# Allegro board 038RT-9068CJK8E-A100_0921_1.brd (continued)
## Routing (per net, layer and track width the routed paths; a pad name or vN(x,y) marks a point on that pad's centre or on a via; arc(x,y) is an arc through that point) (continued)
  BOTTOM w0.305: v1(554.21,204.77) 554.33,204.65 UNK1K217.39 ; UNK1U18.41 668.03,99.51 v2(668.03,99.51) ; UNK3U6.1 660.03,175.9 v2(660.46,176.33) ; UNK3U18.14 663.28,329.84 v2(663.28,329.84) ; v2(660.32,110.56) 660.82,111.06 UNK1U17.9 ; v1(552.63,198.41) 552.63,198.1 553.33,197.4 UNK1K184.19 ; v1(29.7,283.72) 29.82,283.83 UNK2K145.21 ; v2(33.04,37.66) 32.54,38.16 U6.9 ; U18.34 19.61,107.05 v2(19.61,107.05) ; K217.41 137.27,208.06 v1(137.65,207.67) 137.65,207.43 137.96,207.12 K217.4 ; UNK1U17.14 663.28,113.56 v2(663.28,113.56) ; v2(30.14,162.63) 30.24,162.52 UNK2U6.5 ; UNK3U6.34 649.92,160.9 v2(649.92,160.9) ; UNK1U6.23 657.56,38.53 v2(657.55,38.54) ; UNK2U18.57 22.56,353.88 v2(22.56,353.88) ; v1(646.29,217.93) 646.67,217.55 UNK1K144.41 ; UNK1U17.17 660.32,115.06 v2(660.32,115.06) ; v1(646.29,268.73) 646.67,268.35 UNK3K144.41 ; U17.14 27.32,96.5 v2(27.32,96.5) ; v2(30.14,161.36) 30.3,161.52 UNK2U6.3 ; v2(37.79,36.16) 37.79,35.46 38.1,35.16 U6.62 ; UNK1U18.62 670.99,89.01 v2(670.99,89.01) ; v2(33.04,176.02) 33.04,176.02 UNK2U6.32 ; UNK3K217.39 554.33,264.65 v1(554.21,264.77) ; v2(660.32,103.51) UNK1U18.32 ; v2(30.27,357.76) 29.9,357.38 UNK2U18.1 ; U6.30 32.54,48.66 v2(33.04,48.16) ; v1(252.22,242.08) 252.22,242.39 251.52,243.09 UNK2K213.19 ; UNK1K213.14 444.52,195.62 444.83,195.92 v1(444.83,196.17) ; UNK3U18.3 660.56,324.34 v2(660.32,324.1) ; U6.17 33.04,42.16 v2(33.04,42.16) ; UNK1K184.14 552.64,194.16 552.94,194.47 v1(552.94,194.71) ; UNK2K184.39 136.27,283.94 v1(136.38,283.83) ; UNK3K213.19 445.21,258.85 444.51,259.55 v1(444.51,259.86) ; v2(22.56,350.88) 22.56,350.88 UNK2U18.51 ; UNK2K184.19 137.27,275.04 137.97,274.34 v1(137.97,274.03) ; v1(649.28,215.27) 647.92,215.27 647.67,215.51 UNK1K144.39 ; v2(649.84,169.4) 649.85,169.4 UNK3U6.51 ; UNK2U18.35 22.56,342.88 v2(22.56,342.88) ; v2(22.56,88.5) 22.56,88.5 U17.35 ; U17.57 22.56,99.5 v2(22.56,99.5) ; v2(670.99,349.39) 669.51,349.39 UNK3U17.50 ; v2(668.03,326.84) 668.03,326.84 UNK3U18.57 ; v2(22.56,334.83) 22.56,334.83 UNK2U17.57 ; v2(33.04,171.52) 33.04,171.52 UNK2U6.23 ; v2(660.32,331.34) 660.32,331.34 UNK3U18.17 ; U6.29 30.34,48.16 v2(30.14,47.95) ; v1(250.63,185.77) 250.52,185.66 K213.21 ; v2(40.68,49.16) 40.67,49.16 U6.34 ; UNK2K145.41 28.82,277.24 v1(28.43,277.62) ; UNK3K184.14 552.64,254.16 552.94,254.47 v1(552.94,254.71) ; v1(136.38,261.58) 136.27,261.46 UNK2K217.21 ; v2(33.04,167.02) 33.04,167.02 UNK2U6.14 ; UNK2U17.62 19.61,337.33 v2(19.61,337.33) ; v2(660.46,35.74) 660.25,35.53 UNK1U6.29 ; U6.41 37.8,45.66 v2(37.79,45.66) ; K145.14 28.13,232.37 28.43,232.68 v1(28.43,232.92) 28.82,233.3 K145.19 ; UNK2U6.34 40.67,175.52 v2(40.68,175.52) ; UNK3U18.1 660.7,323.34 v2(660.32,322.96) ; UNK1K145.14 662.47,224.83 662.16,224.52 v1(662.16,224.28) 661.78,223.9 UNK1K145.19 ; U6.50 37.8,41.16 v2(37.79,41.16) ; UNK3U18.63 668.03,323.84 v2(668.03,323.84) ; UNK2U18.29 29.97,343.38 30.27,343.08 v2(30.27,342.88) 30.27,342.88 UNK2U18.30 ; U18.23 27.32,111.05 v2(27.32,111.05) ; v2(657.55,43.04) 657.55,43.03 UNK1U6.14 ; v1(554.21,194.71) 554.33,194.83 UNK1K184.21 ; v1(43.04,283.97) 42.92,283.86 UNK2K144.21 ; v1(444.51,199.86) 444.51,199.55 445.21,198.85 UNK1K213.19 ; UNK1U17.29 v2(660.32,121.06) 660.32,121.25 660.63,121.56 UNK1U17.30 ; UNK2K144.19 43.92,283.59 v1(44.31,283.97) 44.31,284.21 44.61,284.52 UNK2K144.14 ; v2(30.27,101) 30.27,101 U17.5 ; UNK1K144.21 647.67,224.14 v1(647.56,224.03) ; UNK3U18.23 663.28,334.34 v2(663.28,334.34) ; v2(663.28,118.06) 663.28,118.06 UNK1U17.23 ; UNK1U6.35 652.8,35.03 v2(652.8,35.04) ; UNK3K217.21 554.33,270.98 v1(554.21,270.86) ; UNK2U18.3 30.04,356.38 v2(30.27,356.62) ; UNK3U6.35 652.8,161.4 v2(652.8,161.4) ; v1(647.56,274.83) 647.67,274.94 UNK3K144.21 ; U6.3 30.3,35.16 v2(30.14,35) ; UNK2U6.57 37.8,164.03 v2(37.79,164.02) ; UNK3K184.21 554.33,254.83 v1(554.21,254.71) ; v2(30.27,121.28) 30.04,121.05 U18.3 ; UNK2K217.14 137.96,262.12 137.65,261.82 v1(137.65,261.58) 137.27,261.19 UNK2K217.19 137.27,258.89 137.97,258.19 v1(137.97,257.88) ; UNK2U18.23 27.32,346.38 v2(27.32,346.38) ; v2(660.32,357.89) UNK3U17.32 ; UNK3U6.14 657.55,169.4 v2(657.55,169.4) ; v2(27.32,92) 27.32,92 U17.23 ; v2(660.46,173.79) 660.35,173.9 UNK3U6.5 ; U18.1 29.9,122.05 v2(30.27,122.43) ; v2(27.32,350.88) 27.32,350.88 UNK2U18.14 ; v2(649.84,43.04) 649.85,43.03 UNK1U6.51 ; UNK2U6.1 30.57,160.52 v2(30.14,160.09) ; v1(228.42,191.87) 228.3,191.99 K214.39 ; v2(27.32,120.55) 27.32,120.55 U18.4 ; v2(660.32,326.84) 660.82,327.34 UNK3U18.9 ; UNK3K144.19 646.67,275.13 646.37,274.83 v1(646.29,274.83) ; v2(37.79,37.66) 37.8,37.66 U6.57 ; U18.17 30.27,114.05 v2(30.27,114.05) ; v2(30.27,330.33) 30.27,330.33 UNK2U17.17 ; v2(27.32,115.55) 27.32,115.55 U18.14 ; UNK2K214.14 229.99,246.32 229.69,246.02 v1(229.69,245.77) ; v2(657.55,46.04) 658.06,45.53 UNK1U6.9 ; UNK2U17.9 29.77,334.33 v2(30.27,334.83) ; UNK3K213.4 444.52,250.62 444.83,250.31 v1(444.83,250.07) 445.21,249.68 UNK3K213.41 ; v1(250.63,245.77) 250.52,245.66 UNK2K213.21 ; v1(554.21,248.61) 554.33,248.5 UNK3K184.39 ; v1(25,278.01) 25.16,278.17 UNK2K145.4 ; UNK2U6.50 37.8,167.52 v2(37.79,167.52) ; v2(33.04,45.16) 33.04,45.16 U6.23 ; UNK3U17.41 668.03,353.89 v2(668.03,353.89) ; UNK3K145.39 660.78,281.29 v1(660.89,281.18) ; v1(136.38,201.58) 136.27,201.46 K217.21 ; v2(30.27,95) 30.27,95 U17.17 ; v2(668.03,329.84) 668.03,329.84 UNK3U18.51 ; UNK1K184.39 554.33,188.5 v1(554.21,188.61) ; UNK3K145.19 661.78,274.7 v1(662.16,275.08) 662.16,275.32 662.47,275.63 UNK3K145.14 ; K214.41 229.3,192.26 v1(229.69,191.87) 229.69,191.63 229.99,191.32 K214.4 ; UNK2U6.62 38.1,161.52 37.79,161.83 v2(37.79,162.53) ; UNK1U17.4 663.28,108.56 v2(663.28,108.56) ; UNK3U6.41 652.8,164.4 v2(652.8,164.4) ; UNK1U6.62 652.5,48.53 652.8,48.23 v2(652.8,47.53) ; UNK3U17.3 660.56,343.39 v2(660.32,343.15) ; v1(468.31,196.17) 468.43,196.28 UNK1K214.21 ; v2(22.56,326.83) 22.56,326.83 UNK2U17.41 ; UNK3U17.35 668.03,356.89 v2(668.03,356.89) ; v2(33.04,49.66) 33.04,49.66 U6.32 ; K144.39 42.92,241.69 42.68,241.93 v1(41.31,241.93) ; UNK2U18.9 29.77,353.38 v2(30.27,353.88) ; U18.57 22.56,118.55 v2(22.56,118.55) ; UNK3U18.30 660.32,337.84 v2(660.32,337.84) 660.32,337.64 660.63,337.34 UNK3U18.29 ; U6.51 40.75,40.66 v2(40.75,40.66) ; v2(660.46,162.11) 660.25,161.9 UNK3U6.29 ; UNK3U6.3 660.3,174.9 v2(660.46,175.06) ; v2(663.28,353.39) 663.28,353.39 UNK3U17.23 ; UNK2K217.39 136.27,267.79 v1(136.38,267.67) ; U18.50 19.61,115.05 v2(19.61,115.05) ; K184.14 137.96,218.28 137.65,217.97 v1(137.65,217.73) ; v2(657.55,173.9) 658.06,174.4 UNK3U6.4 ; v1(446.1,250.07) 446.21,249.95 UNK3K213.39 ; v2(660.32,88.77) 660.56,89.01 UNK1U18.3 ; v2(649.92,49.03) UNK1U6.63 ; v1(660.89,230.38) 660.78,230.49 UNK1K145.39 ; U17.3 30.04,102 v2(30.27,102.23) ; UNK1U17.34 670.99,122.06 v2(670.99,122.06) ; v2(657.55,172.4) 658.06,171.9 UNK3U6.9 ; v2(33.04,36.16) 32.54,35.66 U6.4 ; v1(468.31,190.07) 468.43,189.95 UNK1K214.39 ; v2(27.32,336.83) 27.32,336.83 UNK2U17.4 ; K144.21 42.92,233.06 v1(43.04,233.17) ; UNK1U18.57 668.03,91.51 v2(668.03,91.51) ; UNK3K214.14 466.74,255.62 467.04,255.92 v1(467.04,256.17) ; K145.41 28.82,226.44 v1(28.43,226.82) ; U18.9 29.77,118.05 v2(30.27,118.55) ; UNK1K144.19 646.67,224.41 v1(646.29,224.03) 646.29,223.79 645.98,223.48 UNK1K144.14 ; UNK1U18.63 668.03,88.51 v2(668.03,88.51) ; v2(670.99,108.06) 670.99,108.06 UNK1U17.62 ; UNK3U18.34 670.99,338.34 v2(670.99,338.34) ; v1(137.65,277.73) 137.65,277.97 137.96,278.28 UNK2K184.14 ; v2(657.55,47.53) 658.06,48.03 UNK1U6.4 ; U6.35 37.8,48.66 v2(37.79,48.66) ; UNK2U6.51 40.75,167.03 v2(40.75,167.02) ; v2(657.55,41.54) 657.55,41.53 UNK1U6.17 ; v2(670.99,114.06) 669.51,114.06 UNK1U17.50 ; K214.14 229.99,186.32 229.69,186.02 v1(229.69,185.77) ; U17.4 27.32,101.5 v2(27.32,101.5) ; UNK1U17.51 668.03,113.56 v2(668.03,113.56) ; v2(37.79,172.02) 37.8,172.03 UNK2U6.41 ; v2(40.68,161.03) UNK2U6.63 ; UNK1K213.41 445.21,189.68 v1(444.83,190.07) 444.83,190.31 444.52,190.62 UNK1K213.4 ; UNK1K145.4 665.43,229.83 v1(665.59,229.99) ; v2(649.92,34.54) 649.92,34.53 UNK1U6.34 ; UNK3K214.21 468.43,256.28 v1(468.31,256.17) ; UNK3K213.14 444.52,255.62 444.83,255.92 v1(444.83,256.17) ; v1(230,242.08) 230,242.39 229.3,243.09 UNK2K214.19 ; v2(30.27,336.33) 30.27,336.33 UNK2U17.5 ; U18.5 30.27,120.05 v2(30.27,120.05) ; v2(660.32,90.01) 660.32,90.01 UNK1U18.5 ; UNK1U18.29 660.63,102.01 660.32,102.31 v2(660.32,102.51) 660.32,102.51 UNK1U18.30 ; v2(660.32,106.68) 660.7,107.06 UNK1U17.1 ; v2(19.61,342.38) 19.61,342.38 UNK2U18.34 ; v2(33.04,174.52) 32.54,175.02 UNK2U6.30 ; v2(22.56,356.88) 22.56,356.88 UNK2U18.63 ; UNK2U17.23 27.32,327.33 v2(27.32,327.33) ; UNK3U6.17 657.55,167.9 v2(657.55,167.9) ; UNK1U17.41 668.03,118.56 v2(668.03,118.56) ; v1(136.38,207.67) 136.27,207.79 K217.39 ; UNK1K214.14 466.74,195.62 467.04,195.92 v1(467.04,196.17) ; UNK2K144.41 43.92,290.45 v1(44.31,290.07) ; UNK2K213.41 251.52,252.26 v1(251.9,251.87) 251.9,251.63 252.21,251.32 UNK2K213.4 ; v2(22.56,110.55) 22.56,110.55 U18.41 ; UNK1U18.9 660.82,92.01 v2(660.32,91.51) ; UNK2U6.17 33.04,168.52 v2(33.04,168.52) ; v2(19.61,356.38) 19.61,356.38 UNK2U18.62 ; v1(44.31,239.27) 43.92,239.65 K144.41 ; K213.19 251.52,183.09 252.22,182.39 v1(252.22,182.08) ; v2(668.03,102.51) 668.03,102.51 UNK1U18.35 ; v2(657.55,35.54) 658.06,35.03 UNK1U6.30 ; UNK3U18.4 663.28,324.84 v2(663.28,324.84) ; UNK3K214.41 467.43,249.68 v1(467.04,250.07) 467.04,250.31 466.74,250.62 UNK3K214.4 ; UNK1K184.4 552.64,189.16 552.94,188.86 v1(552.94,188.61) 553.33,188.23 UNK1K184.41 ; v2(37.79,175.02) 37.8,175.03 UNK2U6.35 ; UNK2K184.21 136.27,277.61 v1(136.38,277.73) ; UNK1K217.4 552.64,205.32 552.94,205.01 v1(552.94,204.77) 553.33,204.38 UNK1K217.41 ; v2(30.27,99.5) 29.77,99 U17.9 ; v2(657.55,34.04) 657.56,34.03 UNK1U6.32 ; v2(649.92,175.4) UNK3U6.63 ; UNK2U6.4 32.54,162.02 v2(33.04,162.53) ; v2(668.03,110.56) 668.03,110.56 UNK1U17.57 ; v1(660.89,224.28) 660.78,224.17 UNK1K145.21 ; v1(554.21,210.86) 554.33,210.98 UNK1K217.21 ; UNK3U17.9 660.82,346.39 v2(660.32,345.89) ; UNK2K184.4 137.96,283.28 137.65,283.58 v1(137.65,283.83) 137.27,284.21 UNK2K184.41 ; v2(30.14,174.32) 30.34,174.52 UNK2U6.29 ; UNK2U17.35 22.56,323.83 v2(22.56,323.83) ; UNK2K145.39 29.82,277.51 v1(29.7,277.62) ; UNK3U18.41 668.03,334.84 v2(668.03,334.84) ; U18.35 22.56,107.55 v2(22.56,107.55) ; v1(250.63,191.87) 250.52,191.99 K213.39 ; UNK1U18.14 663.28,94.51 v2(663.28,94.51) ; UNK1K213.21 446.21,196.28 v1(446.1,196.17) ; v2(670.99,324.34) 670.99,324.34 UNK3U18.62 ; UNK3U6.30 658.06,161.4 v2(657.55,161.9) ; UNK2U6.9 32.54,164.52 v2(33.04,164.02) ; UNK3U17.51 668.03,348.89 v2(668.03,348.89) ; UNK1U18.4 663.28,89.51 v2(663.28,89.51) ; v1(41.31,292.73) 42.68,292.73 42.92,292.49 UNK2K144.39 ; UNK3K184.4 552.64,249.16 552.94,248.86 v1(552.94,248.61) 553.33,248.23 UNK3K184.41 ; U18.29 29.97,108.05 30.27,107.75 v2(30.27,107.55) 30.27,107.55 U18.30 ; v2(652.8,168.9) 652.8,168.9 UNK3U6.50 ; UNK3U17.5 660.32,344.39 v2(660.32,344.39) ; v2(19.61,96) 21.08,96 U17.50 ; UNK1U6.5 660.35,47.53 v2(660.46,47.42) ; v2(657.55,160.4) 657.56,160.4 UNK3U6.32 ; UNK2U18.4 27.32,355.88 v2(27.32,355.88) ; UNK1K145.41 661.78,230.76 v1(662.16,230.38) ; v1(25,227.21) 25.16,227.37 K145.4 ; v2(30.27,87.5) U17.32 ; v2(19.61,121.05) 19.61,121.05 U18.62 ; K214.21 228.3,185.66 v1(228.42,185.77) ; UNK1U6.1 660.03,49.53 v2(660.46,49.96) ; v2(30.27,322.83) UNK2U17.32 ; UNK1U17.5 660.32,109.06 v2(660.32,109.06) ; v1(446.1,190.07) 446.21,189.95 UNK1K213.39 ; UNK3U17.62 670.99,343.39 v2(670.99,343.39) ; v1(552.63,258.41) 552.63,258.1 553.33,257.4 UNK3K184.19 ; K184.39 136.27,223.94 v1(136.38,223.83) ; v1(665.59,280.79) 665.43,280.63 UNK3K145.4 ; U17.34 19.61,88 v2(19.61,88) ; K145.21 29.82,233.03 v1(29.7,232.92) ; UNK3K214.39 468.43,249.95 v1(468.31,250.07) ; UNK3U17.34 670.99,357.39 v2(670.99,357.39) ; U17.29 v2(30.27,89) 30.27,88.81 29.97,88.5 U17.30 ; U17.41 22.56,91.5 v2(22.56,91.5) ; UNK2K214.21 228.3,245.66 v1(228.42,245.77) ; UNK3U17.63 668.03,342.89 v2(668.03,342.89) ; v2(19.61,323.33) 19.61,323.33 UNK2U17.34 ; UNK2K214.41 229.3,252.26 v1(229.69,251.87) 229.69,251.63 229.99,251.32 UNK2K214.4 ; v2(660.32,350.39) 660.32,350.39 UNK3U17.17 ; v2(40.68,34.66) U6.63 ; K213.41 251.52,192.26 v1(251.9,191.87) 251.9,191.63 252.21,191.32 K213.4 ; UNK2K145.14 28.13,283.17 28.43,283.48 v1(28.43,283.72) 28.82,284.1 UNK2K145.19 ; K213.14 252.21,186.32 251.9,186.02 v1(251.9,185.77) ; v2(670.99,95.01) 670.99,95.01 UNK1U18.50 ; v2(657.55,164.9) 657.56,164.9 UNK3U6.23 ; UNK2K214.39 228.3,251.99 v1(228.42,251.87) ; UNK2K213.14 252.21,246.32 251.9,246.02 v1(251.9,245.77) ; v1(466.73,259.86) 466.73,259.55 467.43,258.85 UNK3K214.19 ; UNK1K214.19 467.43,198.85 466.73,199.55 v1(466.73,199.86) ; UNK2U17.50 21.08,331.33 v2(19.61,331.33) ; U18.63 22.56,121.55 v2(22.56,121.55) ; UNK1U18.17 660.32,96.01 v2(660.32,96.01) ; UNK3K144.39 647.67,266.31 647.92,266.07 v1(649.28,266.07) ; v2(660.32,338.84) UNK3U18.32 ; UNK2U17.3 30.04,337.33 v2(30.27,337.57) ; v2(660.32,325.34) 660.32,325.34 UNK3U18.5 ; v1(446.1,256.17) 446.21,256.28 UNK3K213.21 ; v2(30.27,338.71) 29.9,338.33 UNK2U17.1 ; UNK3U17.57 668.03,345.89 v2(668.03,345.89) ; v2(660.32,342.01) 660.7,342.39 UNK3U17.1 ; v1(137.97,197.88) 137.97,198.19 137.27,198.89 K217.19 137.27,201.19 v1(137.65,201.58) 137.65,201.82 137.96,202.12 K217.14 ; UNK1U6.3 660.3,48.53 v2(660.46,48.69) ; UNK2U18.5 30.27,355.38 v2(30.27,355.38) ; U6.5 30.24,36.16 v2(30.14,36.27) ; v1(552.63,214.56) 552.63,214.25 553.33,213.55 UNK1K217.19 553.33,211.25 v1(552.94,210.86) 552.94,210.62 552.64,210.32 UNK1K217.14 ; v2(30.27,103.38) 29.9,103 U17.1 ; UNK3K217.41 553.33,264.38 v1(552.94,264.77) 552.94,265.01 552.64,265.32 UNK3K217.4 ; v2(652.8,172.4) 652.8,172.4 UNK3U6.57 ; UNK2U17.63 22.56,337.83 v2(22.56,337.83) ; v2(663.28,343.89) 663.28,343.89 UNK3U17.4 ; U18.51 22.56,115.55 v2(22.56,115.55) ; v1(250.63,251.87) 250.52,251.99 UNK2K213.39 ; K144.14 44.61,233.72 44.31,233.41 v1(44.31,233.17) 43.92,232.79 K144.19 ; UNK1U17.35 668.03,121.56 v2(668.03,121.56) ; UNK1U6.41 652.8,38.03 v2(652.8,38.04) ; U6.14 33.04,40.66 v2(33.04,40.66) ; v2(22.56,96.5) 22.56,96.5 U17.51 ; UNK3U17.14 663.28,348.89 v2(663.28,348.89) ; UNK2U17.51 22.56,331.83 v2(22.56,331.83) ; UNK3K217.14 552.64,270.32 552.94,270.62 v1(552.94,270.86) 553.33,271.25 UNK3K217.19 553.33,273.55 552.63,274.25 v1(552.63,274.56) ; v2(668.03,107.56) 668.03,107.56 UNK1U17.63 ; v2(652.8,173.9) 652.8,174.59 652.5,174.9 UNK3U6.62 ; UNK1U17.3 660.56,108.06 v2(660.32,107.82) ; v2(660.32,122.56) UNK1U17.32 ; v2(670.99,330.34) 670.99,330.34 UNK3U18.50 ; v2(652.8,46.04) 652.8,46.03 UNK1U6.57 ; v2(670.99,103.01) 670.99,103.01 UNK1U18.34 ; UNK3U18.35 668.03,337.84 v2(668.03,337.84) ; v1(136.38,217.73) 136.27,217.61 K184.21 ; v2(22.56,102.5) 22.56,102.5 U17.63 ; UNK2U17.30 29.97,323.83 30.27,324.14 v2(30.27,324.33) UNK2U17.29 ; v2(19.61,350.38) 19.61,350.38 UNK2U18.50 ; v2(27.32,331.83) 27.32,331.83 UNK2U17.14 ; UNK2U18.17 30.27,349.38 v2(30.27,349.38) ; UNK1U18.51 668.03,94.51 v2(668.03,94.51) ; K184.41 137.27,224.21 v1(137.65,223.83) 137.65,223.58 137.96,223.28 K184.4 ; UNK1U6.50 652.8,42.53 v2(652.8,42.54) ; v1(662.16,281.18) 661.78,281.56 UNK3K145.41 ; v2(30.27,341.88) UNK2U18.32 ; UNK3K145.21 660.78,274.97 v1(660.89,275.08) ; UNK1K214.41 467.43,189.68 v1(467.04,190.07) 467.04,190.31 466.74,190.62 UNK1K214.4 ; v2(660.32,87.63) 660.7,88.01 UNK1U18.1 ; v2(30.27,106.55) U18.32 ; K184.19 137.27,215.04 137.97,214.34 v1(137.97,214.03) ; K145.39 29.82,226.71 v1(29.7,226.82) ; UNK2K217.41 137.27,268.06 v1(137.65,267.67) 137.65,267.43 137.96,267.12 UNK2K217.4 ; v2(663.28,99.01) 663.28,99.01 UNK1U18.23 ; v2(22.56,345.88) 22.56,345.88 UNK2U18.41 ; v1(230,182.08) 230,182.39 229.3,183.09 K214.19 ; v2(30.14,33.73) 30.57,34.16 U6.1 ; UNK3U17.29 v2(660.32,356.39) 660.32,356.58 660.63,356.89 UNK3U17.30 ; v2(19.61,102) 19.61,102 U17.62
  BOTTOM w0.35: MUX15.13 v1(323.85,217.53) ; MUX6.13 v1(335.6,206.1) ; MUX10.13 v1(335.6,251.82) ; MUX7.13 v1(335.6,240.39) ; MUX5.13 v1(323.85,206.1) ; MUX9.13 v1(335.6,194.67) ; MUX8.13 v1(324.17,251.82) ; MUX13.13 v1(335.6,228.96) ; MUX14.13 v1(335.6,217.53) ; MUX4.13 v1(324.17,240.39) ; MUX2.13 v1(323.85,194.67) ; MUX12.13 v1(335.6,263.25) ; MUX16.13 v1(323.85,228.96) ; MUX3.13 v1(324.22,274.68) ; MUX1.13 v1(335.6,274.68) ; MUX11.13 v1(324.17,263.25)
  BOTTOM w0.381: CG84.2 CG34.2 ; UNK3CG52.2 v1(602.8,263.82) ; UNK1CG38.2 603.57,203.02 v1(602.8,203.02) ; UNK1CD84.2 407.7,202.25 UNK1CD34.2 ; UNK1CG137.2 601.95,211.8 UNK1CG26.2 ; UNK1CD70.2 405.3,202.25 UNK1CD13.2 ; CD29.2 v1(283.7,201.42) ; UNK1CG6.2 v1(594,205.42) ; UNK1CD29.2 v1(403.7,201.42) ; v1(408.5,271.02) 408.5,271.79 UNK3CD38.2 ; UNK1CD39.2 408.5,202.25 UNK1CD85.2 ; UNK2CD43.2 279.72,270.17 UNK2CD137.2 ; CG38.2 87.02,209.42 v1(87.8,209.42) ; UNK2CG7.2 v1(96.6,267.82) ; v1(288.5,271.02) 288.5,271.79 UNK2CD38.2 ; UNK1CG52.2 v1(602.8,203.82) ; UNK2CG52.2 v1(87.8,268.62) ; UNK3CG39.2 v1(593.2,265.42) ; UNK3CD43.2 399.72,270.17 UNK3CD137.2 ; UNK1CD7.2 v1(406.9,202.22) ; UNK3CD84.2 407.7,262.25 UNK3CD34.2 ; UNK2CD85.2 288.5,262.25 UNK2CD39.2 ; CD38.2 288.5,211.8 v1(288.5,211.02) ; UNK3CG13.2 UNK3CG54.2 ; UNK2CG137.2 88.65,260.64 UNK2CG26.2 ; UNK2CG38.2 87.02,269.42 v1(87.8,269.42) ; UNK1CG39.2 v1(593.2,205.42) ; UNK3CG38.2 603.57,263.02 v1(602.8,263.02) ; UNK3CD52.2 v1(407.7,271.02) ; UNK2CD33.2 v1(286.1,261.42) ; CG52.2 v1(87.8,208.62) ; UNK1CD33.2 v1(406.1,201.42) ; UNK1CG41.2 v1(593.2,207.82) ; UNK3CG6.2 v1(594,265.42) ; UNK3CG41.2 v1(593.2,267.82) ; UNK2CD34.2 287.7,262.25 UNK2CD84.2 ; CD43.2 279.72,210.17 CD137.2 ; UNK3CD70.2 405.3,262.25 UNK3CD13.2 ; CD39.2 288.5,202.25 CD85.2 ; UNK1CD43.2 399.72,210.17 UNK1CD137.2 ; v1(286.1,201.42) CD33.2 ; v1(286.9,202.22) CD7.2 ; UNK2CD29.2 v1(283.7,261.42) ; UNK3CG85.2 UNK3CG33.2 ; UNK2CD7.2 v1(286.9,262.22) ; v1(286.1,202.22) CD6.2 ; UNK2CG13.2 UNK2CG54.2 ; CD52.2 v1(287.7,211.02) ; UNK3CD7.2 v1(406.9,262.22) ; UNK1CD38.2 408.5,211.8 v1(408.5,211.02) ; UNK2CG85.2 UNK2CG33.2 ; UNK3CD6.2 v1(406.1,262.22) ; UNK1CG85.2 UNK1CG33.2 ; UNK3CG84.2 UNK3CG34.2 ; UNK2CD13.2 285.3,262.25 UNK2CD70.2 ; CD13.2 285.3,202.25 CD70.2 ; UNK2CG84.2 UNK2CG34.2 ; CG7.2 v1(96.6,207.82) ; UNK3CD29.2 v1(403.7,261.42) ; CG137.2 88.65,200.65 CG26.2 ; UNK1CG13.2 UNK1CG54.2 ; UNK2CG6.2 v1(96.6,267.02) ; UNK3CG7.2 v1(594,264.62) ; UNK3CG137.2 601.95,271.79 UNK3CG26.2 ; CD84.2 287.7,202.25 CD34.2 ; CG85.2 CG33.2 ; CG6.2 v1(96.6,207.02) ; CG13.2 CG54.2 ; UNK3CD33.2 v1(406.1,261.42) ; CG41.2 v1(97.4,204.62) ; UNK1CD52.2 v1(407.7,211.02) ; UNK1CG84.2 UNK1CG34.2 ; CG39.2 v1(97.4,207.02) ; UNK2CG39.2 v1(97.4,267.02) ; UNK1CG7.2 v1(594,204.62) ; UNK2CG41.2 v1(97.4,264.62) ; UNK3CD39.2 408.5,262.25 UNK3CD85.2 ; UNK2CD6.2 v1(286.1,262.22) ; UNK1CD6.2 v1(406.1,202.22) ; UNK2CD52.2 v1(287.7,271.02)
  BOTTOM w0.508: UNK2YH21.4 v2(220.57,427.29) ; v1(641.34,275.2) 640.71,275.2 640.24,274.73 UNK3RL18.2 ; UNK3R69.2 605.4,265.22 v1(605.2,265.42) ; HOST2.G15 280.16,39.53 CH2112.2 ; v1(398.1,273.42) 397.32,273.42 UNK3CD138.2 ; R110.2 286.3,213.62 v1(286.1,213.42) ; CH152.2 222.26,42.44 HOST1.G5 ; v1(641.34,224.4) 640.71,224.4 640.24,223.93 UNK1RL18.2 ; v1(30.85,235.98) 30.85,236.3 C145.2 ; UNK1C145.2 659.74,220.9 v1(659.74,221.22) ; UNK1Y7.4 v1(440.41,215.21) ; UNK2CH2202.2 226.19,437.89 UNK2HOST2.G20 ; UNK3C144.2 648.89,277.76 v1(649.2,277.45) ; CH1252.2 220.05,38.22 HOST1.G22 ; UNK3Y7.2 v1(441.71,271.15) ; UNK2CH252.2 222.24,433.74 UNK2HOST2.G5 ; UNK1CH2252.2 464.51,38.22 UNK1HOST2.G22 ; UNK2CH242.2 226.15,433.84 UNK2HOST2.G1 ; UNK1HOST2.G15 462.61,39.53 UNK1CH2112.2 ; UNK2R110.2 286.3,273.62 v1(286.1,273.42) ; UNK3CH252.2 400.02,433.74 UNK3HOST2.G5 ; CH242.2 280.36,42.33 HOST2.G1 ; UNK3Y6.4 v1(607.55,252.08) ; C399.2 72.64,205.04 v1(73.02,204.66) ; UNK1YH21.4 v2(468.39,48.88) ; v1(649.2,226.65) 648.89,226.96 UNK1C144.2 ; UNK1CH242.2 462.81,42.33 UNK1HOST2.G1 ; UNK3CH1202.2 465.99,437.89 UNK3HOST1.G20 ; UNK2C399.2 72.64,265.04 v1(73.02,264.66) ; UNK3Y7.4 v1(440.41,275.21) ; UNK2C145.2 30.85,287.1 v1(30.85,286.78) ; UNK1R110.2 406.3,213.62 v1(406.1,213.42) ; UNK2CH2112.2 226.35,436.64 UNK2HOST2.G15 ; UNK1C406.2 617.95,212.1 v1(617.57,212.48) ; UNK3YH21.2 v2(394.29,425.99) ; UNK2RL16.2 v1(25,281.04) ; UNK3HOST1.G5 462.03,433.74 UNK3CH152.2 ; UNK1HOST2.G5 466.72,42.44 UNK1CH252.2 ; UNK1C399.2 617.95,207.4 v1(617.57,207.78) ; UNK3CH2202.2 403.98,437.89 UNK3HOST2.G20 ; UNK2Y6.2 v1(87.11,281.66) ; Y6.2 v1(87.11,221.66) ; CD138.2 277.32,213.42 v1(278.1,213.42) ; UNK2C144.2 41.71,281.04 v1(41.4,281.35) ; v1(25,282.8) 24.86,282.94 UNK2RL15.2 ; UNK3HOST1.G22 464.25,437.95 UNK3CH1252.2 ; CH1202.2 218.31,38.28 HOST1.G20 ; UNK1YH11.4 v2(406.38,48.88) ; UNK3RL16.2 v1(665.59,277.76) ; CH2252.2 282.06,38.22 HOST2.G22 ; UNK3CH2252.2 402.24,437.95 UNK3HOST2.G22 ; HOST1.G1 218.36,42.33 CH142.2 ; v1(617.57,267.78) 617.95,267.4 UNK3C399.2 ; UNK1HOST1.G22 402.5,38.22 UNK1CH1252.2 ; UNK1HOST1.G5 404.71,42.44 UNK1CH152.2 ; UNK2CH152.2 284.25,433.74 UNK2HOST1.G5 ; UNK1Y6.4 v1(607.55,192.08) ; UNK3HOST1.G15 466.14,436.64 UNK3CH1112.2 ; UNK2RL18.2 50.35,284.07 49.89,283.6 v1(49.26,283.6) ; v1(605.2,273.42) 605.2,274.2 UNK3CG138.2 ; YH21.2 v2(290,50.18) ; UNK2CG138.2 85.4,258.24 v1(85.4,259.02) ; v1(41.4,230.55) 41.71,230.24 C144.2 ; YH11.2 v2(227.99,50.18) ; UNK2CD138.2 277.32,273.42 v1(278.1,273.42) ; UNK1CH1112.2 400.6,39.53 UNK1HOST1.G15 ; UNK2HOST1.G15 288.36,436.64 UNK2CH1112.2 ; v1(605.2,213.42) 605.2,214.2 UNK1CG138.2 ; UNK3CH242.2 403.93,433.84 UNK3HOST2.G1 ; UNK3CH2112.2 404.13,436.64 UNK3HOST2.G15 ; UNK2CH1252.2 286.46,437.95 UNK2HOST1.G22 ; CH2202.2 280.32,38.28 HOST2.G20 ; YH21.4 v2(285.94,48.88) ; UNK2R69.2 85.2,267.22 v1(85.4,267.02) ; UNK1HOST1.G20 400.76,38.28 UNK1CH1202.2 ; UNK1Y7.2 v2(441.71,211.15) ; UNK2Y6.4 v1(83.04,280.36) ; UNK2HOST1.G20 288.2,437.89 UNK2CH1202.2 ; UNK2Y7.4 v1(320.41,275.21) ; R69.2 85.2,207.22 v1(85.4,207.02) ; UNK1HOST1.G1 400.8,42.33 UNK1CH142.2 ; UNK1RL16.2 v1(665.59,226.96) ; v1(605.2,205.42) 605.4,205.22 UNK1R69.2 ; RL16.2 v1(25,230.24) ; YH11.4 v2(223.93,48.88) ; v1(406.1,273.42) 406.3,273.62 UNK3R110.2 ; UNK2CH2252.2 224.45,437.95 UNK2HOST2.G22 ; v1(73.02,259.96) 72.64,260.34 UNK2C406.2 ; UNK3YH11.4 v2(460.37,427.29) ; v1(659.74,272.02) 659.74,271.7 UNK3C145.2 ; UNK2CH142.2 288.16,433.84 UNK2HOST1.G1 ; UNK2YH11.4 v2(282.58,427.29) ; UNK2YH11.2 v2(278.52,425.99) ; UNK1Y6.2 v1(603.49,190.78) ; UNK1YH11.2 v2(410.44,50.18) ; v1(617.57,272.48) 617.95,272.1 UNK3C406.2 ; v1(49.26,232.8) 49.67,232.8 RL18.2 ; UNK3HOST1.G1 465.94,433.84 UNK3CH142.2 ; UNK1YH21.2 v2(472.45,50.18) ; HOST1.G15 218.16,39.53 CH1112.2 ; UNK1CH2202.2 462.77,38.28 UNK1HOST2.G20 ; CG138.2 85.4,198.24 v1(85.4,199.02) ; UNK3Y6.2 v1(603.49,250.78) ; UNK3YH21.4 v2(398.36,427.29) ; HOST2.G5 284.27,42.44 CH252.2 ; UNK3YH11.2 v2(456.3,425.99) ; UNK2YH21.2 v2(216.51,425.99) ; Y7.4 v1(320.41,215.21) ; v1(398.1,213.42) 397.32,213.42 UNK1CD138.2 ; Y7.2 v1(321.71,211.15) ; C406.2 72.64,200.34 v1(73.02,199.96) ; Y6.4 v1(83.04,220.36) ; UNK2Y7.2 v1(321.71,271.15)